# Altium PCB Motor Driver V.THT.PcbDoc
Units mm, origin at the board's own origin, x right, y up, seen from the top; angles counter-clockwise.
Board outline 120 x 73.3 mm, 2 copper layers (Top Layer, Bottom Layer); 93 components, 35 nets, 209 pads, 656 vias.
Unrouted connection lines stored in the file: 3.
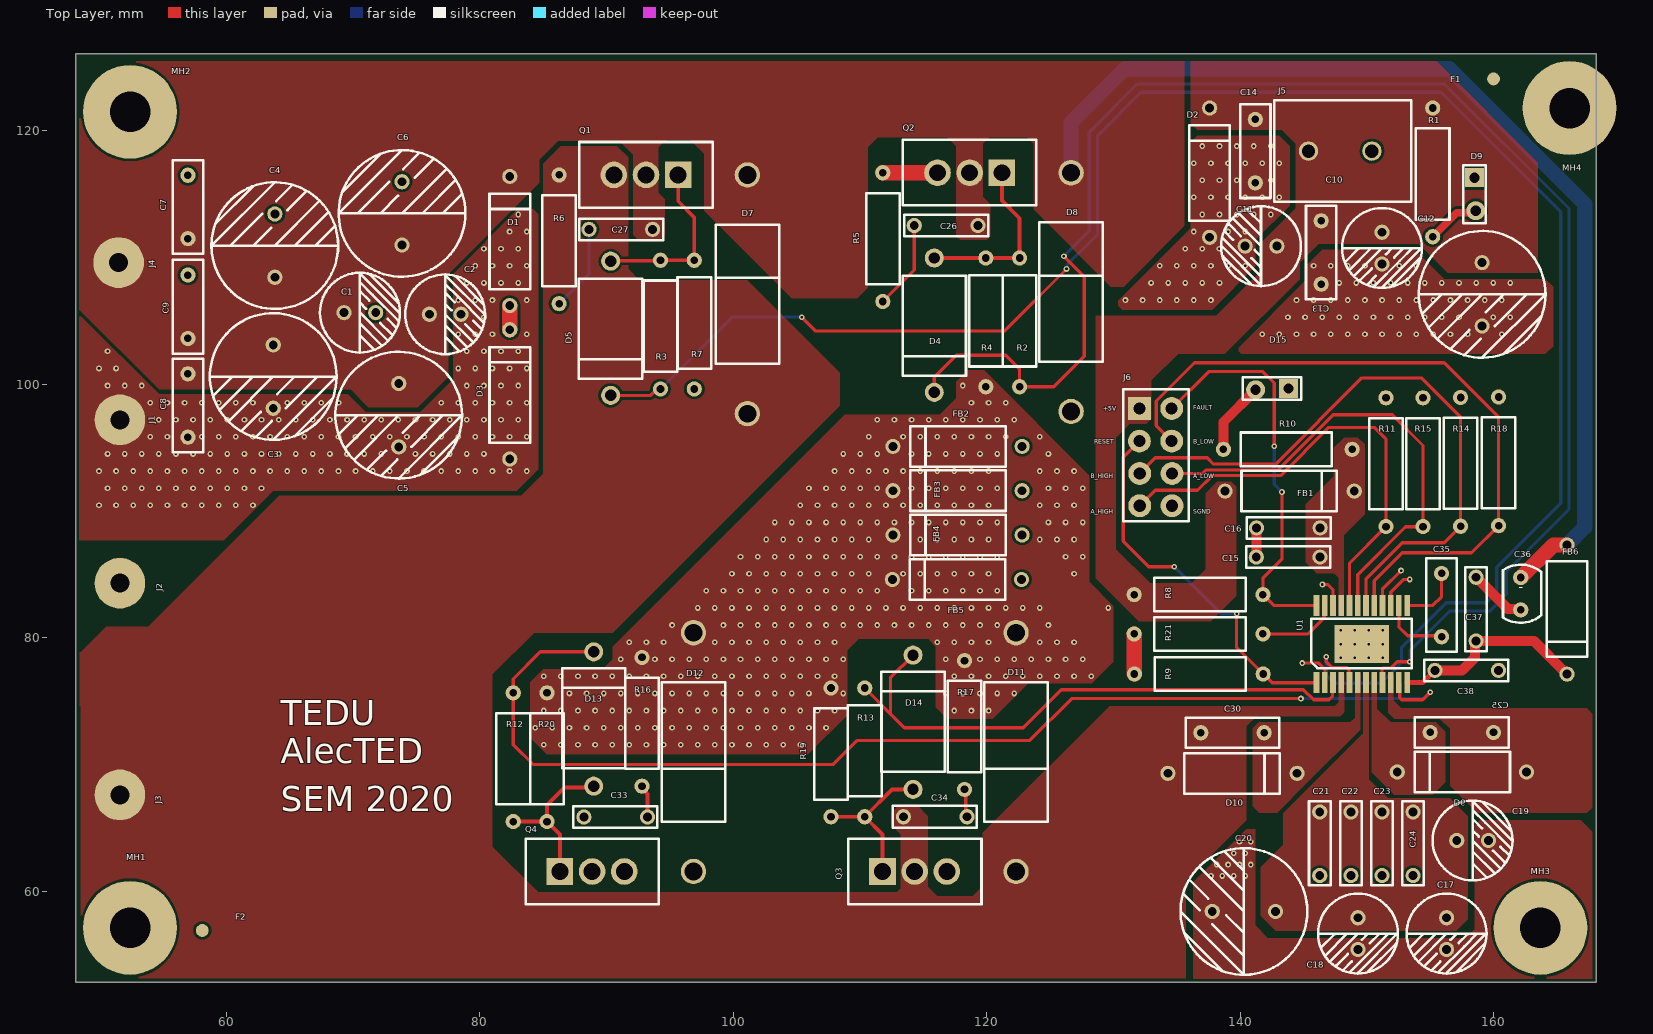
[diagram p0: Top Layer view]
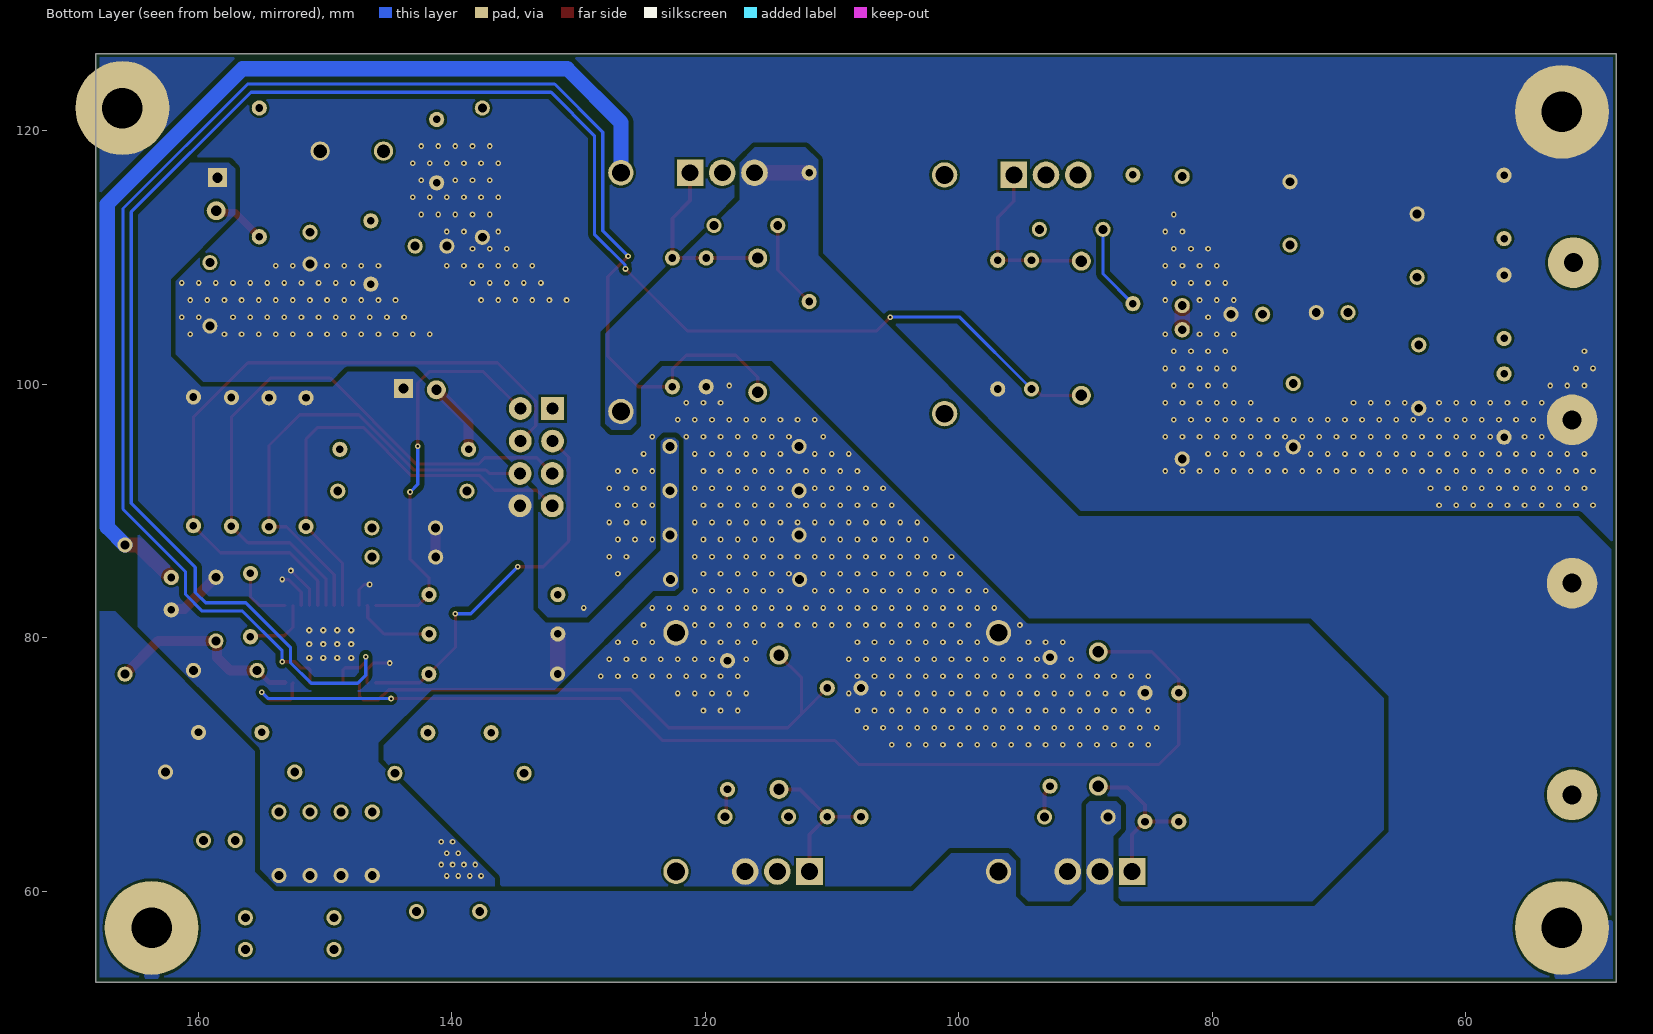
[diagram p1: Bottom Layer view, seen from below]
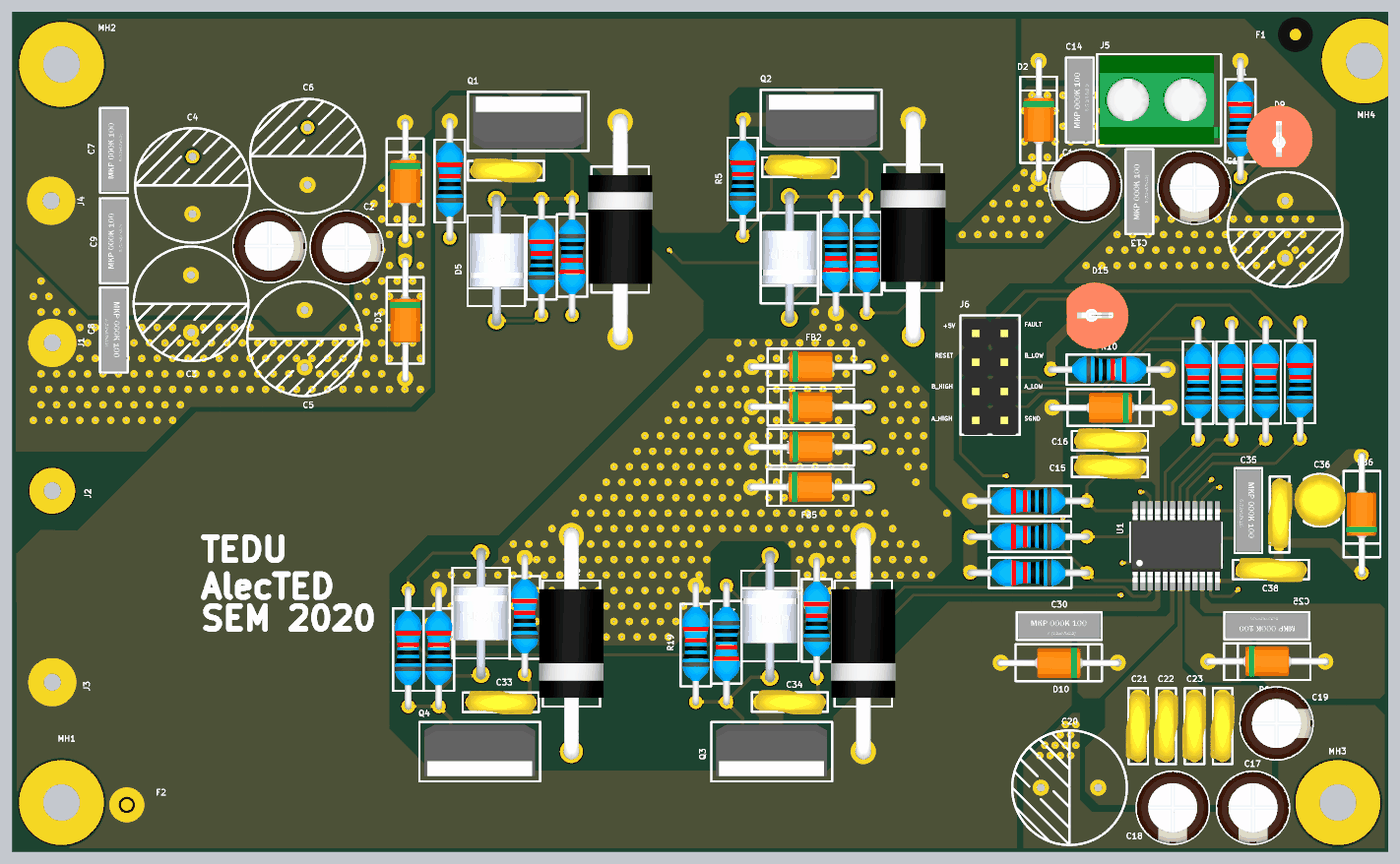
[diagram p2: 3D render of the assembled board from above, using the file's embedded part models]

## Layer stack, top to bottom
Top Solder: solder mask 0.0102, Solder Resist, Dk 3.5
Top Layer: signal copper 0.0356
Dielectric 1: dielectric 0.32, FR-4, Dk 4.8
Bottom Layer: signal copper 0.0356
Bottom Solder: solder mask 0.0102, Solder Resist, Dk 3.5

## Board outline
48.1,52.8 168.1,52.8 168.1,126.1 48.1,126.1

## Design rules (kind name [scope] priority, off if disabled: settings)
Clearance Overlay_bottom [OnLayer('Bottom Layer') vs OnLayer('Bottom Layer')] p1: gap=0.4 ignorepadtopadclearanceinfootprint=FALSE
Clearance Clearance_1 [All] p2: gap=0.2 ignorepadtopadclearanceinfootprint=FALSE
Clearance Clearance_2 [InComponent('U1')] p3: gap=0.1 ignorepadtopadclearanceinfootprint=FALSE
PolygonConnect [All] p1: connectstyle=Direct reliefconductorwidth=0.254 reliefentries=4 polygonreliefangle="90 Angle" airgapwidth=0.254
RoutingVias [All] p1: holewidth=0.2 width=0.45 viastyle="Through Hole" minholewidth=0.2 minwidth=0.45 maxholewidth=0.25 maxwidth=0.55
SolderMaskExpansion [All] p1: expansion=0.102 istentingtop=FALSE
Width [All] p1: maxlimit=1.2 minlimit=0.254 preferedwidth=0.254
30 further rules are at their usual default settings.

## Components (designator, comment, footprint, x,y, rotation, side; value= is the part's Value field where it differs from the comment)
C1 "47uF/50V" 6.3X11X2.5CAPACITOR 69.287,105.652 r0 top
C2 "47uF/50V" 6.3X11X2.5CAPACITOR 76.018,105.525 r0 top
C3 "330uF/50V" THT-CAP/10X16 63.699,103.112 r270 top
C4 "330uF/50V" THT-CAP/10X16 63.826,108.446 r90 top
C5 "330uF/50V" THT-CAP/10X16 73.605,100.064 r270 top
C6 "330uF/50V" THT-CAP/10X16 73.859,110.986 r90 top
C7 "100nF/63V" "FILM CAP" 56.968,111.494 r90 top
C8 "100nF/63V" "FILM CAP" 56.968,100.826 r270 top
C9 "100nF/63V" "FILM CAP" 56.968,103.62 r90 top
C10 "47uF/50V" 6.3X11X2.5CAPACITOR 151.2,112 r270 top
C11 "47uF/50V" 6.3X11X2.5CAPACITOR 142.9,110.9 r180 top
C12 "330uF/50V" THT-CAP/10X16 159.1,109.6 r270 top
C13 "100nF/63V" "FILM CAP" 146.4,107.9 r90 top
C14 "100nF/63V" "FILM CAP" 141.2,115.9 r90 top
C15 "100nF/63V" "CERAMIC CAP" 142.479,86.335 r0 top
C16 "100nF/63V" "CERAMIC CAP" 142.494,88.646 r0 top
C17 "47uF/50V" 6.3X11X2.5CAPACITOR 156.3,57.9 r270 top
C18 "47uF/50V" 6.3X11X2.5CAPACITOR 149.3,57.9 r270 top
C19 "47uF/50V" 6.3X11X2.5CAPACITOR 157.1,64 r0 top
C20 "330uF/50V" THT-CAP/10X16 142.8,58.4 r180 top
C21 "100nF/63V" "CERAMIC CAP" 146.312,62.43 r90 top
C22 "100nF/63V" "CERAMIC CAP" 148.767,62.43 r90 top
C23 "100nF/63V" "CERAMIC CAP" 151.223,62.43 r90 top
C24 "100nF/63V" "CERAMIC CAP" 153.678,62.43 r90 top
C25 "470nF/50V" "FILM CAP" 160,72.525 r180 top
C26 "10nF/50V" "CERAMIC CAP" 115.488,112.503 r0 top
C27 "10nF/50V" "CERAMIC CAP" 89.816,112.203 r0 top
C30 "470nF/50V" "FILM CAP" 136.9,72.5 r0 top
C33 "10nF/50V" "CERAMIC CAP" 92.038,65.872 r180 top
C34 "10nF/50V" "CERAMIC CAP" 117.254,65.897 r180 top
C35 "470nF/50V" "FILM CAP" 155.9,85.075 r270 top
C36 "4.7uF/35V" "TANTALUM CAP THT 1" 162.15,84.75 r270 top
C37 "100nF/63V" "CERAMIC CAP" 158.6,83.575 r270 top
C38 "100nF/63V" "CERAMIC CAP" 159.2,77.45 r180 top
D1 "18V/5W" 1N4745 82.368,106.207 r90 top
D2 "5.6V/1W" 1N4745 137.6,111.6 r90 top
D3 "18V/5W" 1N4745 82.368,94.102 r90 top
D4 "1N5819" 1N5819 115.869,109.963 r270 top
D5 "1N5819" 1N5819 90.324,109.722 r270 top
D6 "18V/5W" 1N4745 162.6,69.4 r180 top
D7 "UF5406" UF5406 101.119,97.681 r90 top
D8 "UF5406" UF5406 126.664,97.854 r90 top
D9 "LED" "5MM LED" 158.5,116.3 r270 top
D10 "18V/5W" 1N4745 134.3,69.3 r0 top
D11 "UF5406" UF5406 122.319,80.394 r270 top
D12 "UF5406" UF5406 96.864,80.394 r270 top
D13 "1N5819" 1N5819 88.99,68.285 r90 top
D14 "1N5819" 1N5819 114.191,68.031 r90 top
D15 "LED" "5MM LED" 143.824,99.668 r180 top
F1 "FID_1mm" FID_40X120D 160,124.1 r0 top
F2 "FID_1mm" FID_40X120D 58.1,56.9 r0 top
FB1 "R6H6X10-3TS" 1N4745 138.811,91.567 r0 top
FB2 "R6H6X10-3TS" 1N4745 122.8,95.1 r180 top
FB3 "R6H6X10-3TS" 1N4745 122.8,91.6 r180 top
FB4 "R6H6X10-3TS" 1N4745 122.8,88.1 r180 top
FB5 "R6H6X10-3TS" 1N4745 122.756,84.596 r180 top
FB6 "R6H6X10-3TS" 1N4745 165.8,87.325 r270 top
J1 "4mmx1.5mm" PAD_WITH_HOLE_4MMX1.5MM 51.6,97.2 r0 top
J2 "4mmx1.5mm" PAD_WITH_HOLE_4MMX1.5MM 51.6,84.3 r0 top
J3 "4mmx1.5mm" PAD_WITH_HOLE_4MMX1.5MM 51.6,67.6 r0 top
J4 "4mmx1.5mm" PAD_WITH_HOLE_4MMX1.5MM 51.5,109.6 r0 top
J5 "1x2 Connector" "KLEMENS 1X2" 150.4,118.4 r90 top
J6 "1x8 F_HDR" "1X8 2.54 MM F_HDR" 132.055,90.464 r0 top
MH1 "MOUNTING HOLE_7.4MMC_3.2MMD" MH_7.2MMC_3.2MMD 52.4,57.1 r0 top
MH2 "MOUNTING HOLE_7.4MMC_3.2MMD" MH_7.2MMC_3.2MMD 52.4,121.5 r0 top
MH3 "MOUNTING HOLE_7.4MMC_3.2MMD" MH_7.2MMC_3.2MMD 163.7,57.1 r0 top
MH4 "MOUNTING HOLE_7.4MMC_3.2MMD" MH_7.2MMC_3.2MMD 166,121.8 r0 top
Q1 "IRFS4127TRLPBF" TO-220 95.658,116.521 r180 top
Q2 "IRFS4127TRLPBF" TO-220 121.203,116.694 r180 top
Q3 "IRFS4127TRLPBF" TO-220 111.778,61.554 r0 top
Q4 "IRFS4127TRLPBF" TO-220 86.323,61.554 r0 top
R1 "560R/1W" "THT RESISTOR" 155.2,121.8 r270 top
R2 "47R/7W" "THT RESISTOR" 122.6,99.803 r90 top
R3 "47R/7W" "THT RESISTOR" 94.261,109.79 r270 top
R4 "4.7K/5W" "THT RESISTOR" 119.933,99.803 r90 top
R5 "100R" "THT RESISTOR" 111.805,116.694 r270 top
R6 "100R" "THT RESISTOR" 86.26,116.521 r270 top
R7 "4.7K/5W" "THT RESISTOR" 96.928,99.63 r90 top
R8 "47K/7W" "THT RESISTOR" 131.64,83.4 r0 top
R9 "1K/2W" "THT RESISTOR" 131.661,77.135 r0 top
R10 "560R/1W" "THT RESISTOR" 148.844,94.869 r180 top
R11 "1K/2W" "THT RESISTOR" 151.511,98.933 r270 top
R12 "47R/7W" "THT RESISTOR" 82.64,75.651 r270 top
R13 "47R/7W" "THT RESISTOR" 110.381,65.872 r90 top
R14 "1K/2W" "THT RESISTOR" 157.4,98.96 r270 top
R15 "1K/2W" "THT RESISTOR" 154.432,98.933 r270 top
R16 "100R" "THT RESISTOR" 92.8,78.445 r270 top
R17 "100R" "THT RESISTOR" 118.255,78.191 r270 top
R18 "1K/2W" "THT RESISTOR" 160.4,99 r270 top
R19 "4.7K/5W" "THT RESISTOR" 107.714,76.032 r270 top
R20 "4.7K/5W" "THT RESISTOR" 85.307,75.651 r270 top
R21 "47K/7W" "THT RESISTOR" 131.64,80.3 r0 top
U1 "A4940KLPTR-T" A4940-TSOP65P640X120_HS-25N 149.606,79.502 r90 top

## Footprints (in the part's own frame and the unit in brackets; to place one, negate y for a bottom-side part, rotate by r counter-clockwise, add the part's x,y. Pads: shape width x height; smd on the part's side, far side on the other; paste and mask are expansions set on the pad)
1N4745 [mm]
  round 1.2 hole 0.7: 1(10.2,0) 2(0,0)
  silkscreen extent 1.3,-1.6 8.83,1.6, body extent -0.3,-1.35 10.42,1.3, height 2.83
1N5819 [mm]
  round 1.5 hole 0.9: 1(10.6,0) 2(0,0)
  silkscreen extent 1.4,-2.5 9.3,2.5, body extent -0.4,-2.35 11.02,2.4, height 5.08
"1X8 2.54 MM F_HDR" [mm]
  rect 1.8x1.8 hole 0.95: 1(0,7.62)
  round 1.8 hole 0.95: 2(2.55,7.625) 3(0,5.05) 4(2.55,5.05) 5(0.025,2.5) 6(2.575,2.5) 7(0.025,-0.05) 8(2.575,-0.05)
  silkscreen extent -1.27,-1.28 3.9,9.14, body extent -1.18,-1.3 3.8,8.86, height 9.34
"5MM LED" [mm]
  rect 1.5x1.5 hole 0.8: 1(0,0)
  round 1.5 hole 0.8: 2(2.6,0.1)
  silkscreen extent -1,-0.9 3.6,0.9, body extent -1.62,-2.8 3.82,3, height 13.7
6.3X11X2.5CAPACITOR [mm]
  round 1.2 hole 0.7: 1(0,0) 2(2.5,0)
  silkscreen extent -1.9,-3.15 4.4,3.15, body extent -1.9,-3.15 4.4,3.15, height 11
A4940-TSOP65P640X120_HS-25N [mm] "TSOP, 24-Leads, Body 7,80x4,40mm, Pitch 0,65mm, Thermal Pad 4,32x3,00mm, IPC Medium Density"
  rect 1.65x0.45 smd mask+0.06: 1(-3.05,3.575) 2(-3.05,2.925) 3(-3.05,2.275) 4(-3.05,1.625) 5(-3.05,0.975) 6(-3.05,0.325) 7(-3.05,-0.325) 8(-3.05,-0.975) 9(-3.05,-1.625) 10(-3.05,-2.275) 11(-3.05,-2.925) 12(-3.05,-3.575) 13(3.05,-3.575) 14(3.05,-2.925) 15(3.05,-2.275) 16(3.05,-1.625) 17(3.05,-0.975) 18(3.05,-0.325) 19(3.05,0.325) 20(3.05,0.975) 21(3.05,1.625) 22(3.05,2.275) 23(3.05,2.925) 24(3.05,3.575)
  rect 3x4.32 smd: 25(0,0)
  silkscreen extent -1.9,-3.95 2,4, body extent -3.2,-3.95 3.2,3.95, height 1.2
"CERAMIC CAP" [mm]
  round 1.2 hole 0.7: 1(-1.2,0.025) 2(3.825,0.025)
  silkscreen extent -1.97,-0.82 4.65,0.87, body extent -1.7,-1 4.3,1.1, height 8.6
FID_40X120D [mil]
  round 40 smd paste-1574.8 mask+40: 1(0,0)
"FILM CAP" [mm]
  round 1.2 hole 0.6: 1(0,0) 2(5,0)
  silkscreen extent -1.2,-1.2 6.2,1.2, body extent -1.1,-1.1 6.1,1.1, height 8.53
"KLEMENS 1X2" [mil]
  round 60 hole 41.34: 1(0,0) 2(0,196.85)
  silkscreen extent -157,-122 157,303, body extent -152,-118 152,295, height 394
MH_7.2MMC_3.2MMD [mm]
  round 7.4 hole 3.2: 1(0,0)
PAD_WITH_HOLE_4MMX1.5MM [mm]
  round 4 hole 1.5: 1(0,0)
"TANTALUM CAP THT 1" [mm]
  round 1.2 hole 0.6: 1(0,0) 2(2.55,0)
  silkscreen extent -1.02,-1.4 3.57,1.61, body extent -0.97,-2.25 3.52,2.25, height 10.1
"THT RESISTOR" [mm]
  round 1.2 hole 0.6: 1(0,0) 2(10.16,0)
  silkscreen extent 1.6,-1.33 8.8,1.33, body extent -0.3,-1.2 10.46,1.2, height 2.7
THT-CAP/10X16 [mm]
  round 1.2 hole 0.7: 1(0,0) 2(5,0)
  silkscreen extent -2.5,-5 7.5,5, body extent -2.46,-5 7.54,5, height 16
TO-220 [mm]
  rect 2.1x2.1 hole 1.34: 1(0,0)
  round 2.1 hole 1.34: 2(2.54,0) 3(5.08,0)
  silkscreen extent -2.71,-2.6 7.82,2.58, body extent -2.29,-2.15 7.37,2.35, height 18.66
UF5406 [mm]
  round 2 hole 1.4: 1(18.84,0) 2(0,0)
  silkscreen extent 3.92,-2.5 14.92,2.5, body extent -0.66,-2.82 19.48,2.82, height 6.82

## Part data
C1 C2 C10 C11 C17 C18 C19: library part EXR470M50B, "CAP.EL.47uF 50V 6x11 2.5mm"
C3 C4 C5 C6 C12 C20: library part "TZP331M1HG25R-330uF Aluminium"
C7 C8 C9 C13 C14: library part C241J104J20A201, "Cap Film 0.1uF 63V PET 5% Stacked Radial 5mm 105°C Ammo Pack", Capacitance=100nF, Case/Package=Radial, Dielectric Material=PET, Manufacturer="Surge Components", Max Operating Temperature=105°C, Min Operating Temperature=-55°C, Tolerance=5%, Voltage Rating=63V, Category="Film Capacitors", ComponentLink1Description=https://datasheet.ciiva.com/17457/c241j104j20a201-17457906.pdf?src-supplier=Future+Electronics, ComponentLink1URL=https://datasheet.ciiva.com/17457/c241j104j20a201-17457906.pdf?src-supplier=Future+Electronics, Lead Free="Lead Free", Lead Pitch=5mm, Manufacturer Part Number=C241J104J20A201, Mount="Through Hole", RoHS=Yes, Stock 1=10000, Supplier 1=Avnet, Supplier Part Number 1=C241J104J20A201, Termination=Radial
C15 C16 C21 C22 C23 C24 C37 C38: library part DSTK2614
C25 C30 C35: library part DSTK2594
C26 C27 C33 C34: library part SF1H103MB215Y
C36: library part TKT4R7M3502BR
D1 D3 D6 D10: library part 1N5355BRLG, "ON SEMICONDUCTOR   1N5355BRLG   DIODE, ZENER, 18V, 5W, 017AA-2", Case/Package=Axial, Forward Voltage=1.2V, Manufacturer="ON Semiconductor", Max Operating Temperature=200°C, Max Power Dissipation=5W, Max Reverse Current=500nA, Min Operating Temperature=-65°C, Package Quantity=1, Supplier Part Number 1=1868755, Test Current=65mA, Tolerance=5%, Voltage Rating (DC)=18V, Zener Current=264mA, Category="Zener Diodes", ComponentLink1Description=https://datasheet.ciiva.com/15142/getdatasheetpartid-53953-15142149.pdf?src-supplier=Verical, ComponentLink1URL=https://datasheet.ciiva.com/15142/getdatasheetpartid-53953-15142149.pdf?src-supplier=Verical, ComponentLink2Description=https://datasheet.ciiva.com/27051/1305181-27051928.pdf?src-supplier=Jameco, ComponentLink2URL=https://datasheet.ciiva.com/27051/1305181-27051928.pdf?src-supplier=Jameco, ComponentLink3Description=https://datasheet.ciiva.com/49028/70339225-49028950.pdf?src-supplier=Allied+Electronics, ComponentLink3URL=https://datasheet.ciiva.com/49028/70339225-49028950.pdf?src-supplier=Allied+Electronics, ComponentLink4Description=https://datasheet.ciiva.com/895/1n5333b-d-895371.pdf?src-supplier=Digi-Key, ComponentLink4URL=https://datasheet.ciiva.com/895/1n5333b-d-895371.pdf?src-supplier=Digi-Key, ComponentLink5Description=https://datasheet.ciiva.com/895/1n5333b-d-895372.pdf?src-supplier=Digi-Key, ComponentLink5URL=https://datasheet.ciiva.com/895/1n5333b-d-895372.pdf?src-supplier=Digi-Key, ComponentLink6Description=https://datasheet.ciiva.com/10639/1n5333b-d-10639005.pdf?src-supplier=Avnet, ComponentLink6URL=https://datasheet.ciiva.com/10639/1n5333b-d-10639005.pdf?src-supplier=Avnet, ComponentLink7Description=https://datasheet.ciiva.com/25927/1n5333b-d-25927373.pdf?src-supplier=Avnet+Europe, ComponentLink7URL=https://datasheet.ciiva.com/25927/1n5333b-d-25927373.pdf?src-supplier=Avnet+Europe, ComponentLink8Description=https://datasheet.ciiva.com/22626/1796584-22626831.pdf?src-supplier=Element14, ComponentLink8URL=https://datasheet.ciiva.com/22626/1796584-22626831.pdf?src-supplier=Element14, Contact Plating=Tin,Matte, Element Configuration=Single, ESD Protection=Yes, Halogen Free="Halogen Free", Height=3.68mm, Impedance=2.5R, Lead Free="Lead Free", Length=8.89mm, Manufacturer Part Number=1N5355BRLG, Material=Plastic, Max Reverse Leakage Current=500nA, Number of Pins=2, Packaging="Tape and Reel", Power Dissipation=5W, Power Rating=5W, Pricing 1="4000=0,17300, 8000=0,16100, 4000=1,32800, 8000=1,23900 (EUR)", Radiation Hardening=No, REACH SVHC="No SVHC", RoHS=Yes, Stock 1=34000, Supplier 1=RSComponents, Voltage Tolerance=5%, Weight=0.01lb, Width=3.68mm, Working Voltage=18V, Zener Voltage=18V
D2: library part 1N4734A-HT
D4 D5 D13 D14: library part 1N5819_AY_10001, Forward Current=1A, Manufacturer="Pan Jit", Max Operating Temperature=150°C, Max Repetitive Reverse Voltage (Vrrm)=40V, Max Reverse Current=200uA, Min Operating Temperature=-55°C, Peak Non-Repetitive Surge Current=25A, Supplier Part Number 1=241-1N5819_AY_10001, Category="Rectifier Diodes", ComponentLink1Description=https://datasheet.ciiva.com/8300/1n5817-series-8300210.pdf?src-supplier=Avnet, ComponentLink1URL=https://datasheet.ciiva.com/8300/1n5817-series-8300210.pdf?src-supplier=Avnet, Element Configuration=Single, Manufacturer Part Number=1N5819_AY_10001, Mount="Through Hole", Number of Pins=2, Pricing 1="1=0,41000, 10=0,22500, 100=0,10900, 500=0,08600, 1000=0,06000, 2500=0,05000 (USD)", Radiation Hardening=No, RoHS=Yes, Stock 1=4975, Supplier 1=Mouser
D9 D15: library part LTL2R3SYK, "LED AMBER CLEAR 5MM ROUND T/H", Case/Package=Radial, Color=Orange, Forward Voltage=2.35V, Lens Color=Colorless, Manufacturer="Vishay Lite-On", Max Operating Temperature=80°C, Min Operating Temperature=-40°C, Package Quantity=1000, Supplier Part Number 1=859-LTL2R3SYK, Test Current=20mA, Category=LEDs, ComponentLink1Description=http://www.mouser.com/ds/2/239/_100_LTL2P3SEK+SYK+2R3SEK+SYK-62951.pdf?src-supplier=Mouser, ComponentLink1URL=http://www.mouser.com/ds/2/239/_100_LTL2P3SEK+SYK+2R3SEK+SYK-62951.pdf?src-supplier=Mouser, ComponentLink2Description=https://media.digikey.com/pdf/Data%20Sheets/Lite-On%20PDFs/LTL2x3SEK,SYK.pdf?src-supplier=Digi-Key, ComponentLink2URL=https://media.digikey.com/pdf/Data%20Sheets/Lite-On%20PDFs/LTL2x3SEK,SYK.pdf?src-supplier=Digi-Key, Diameter=5mm, Dominant Wavelength=590nm, Height=8.7mm, Illumination Color=Orange, Lens Style=Dome, Lens Transparency=Clear, Luminous Intensity=2800mcd, Manufacturer Part Number=LTL2R3SYK, Mount="Through Hole", Packaging=Bulk, RoHS=Yes, Supplier 1=Mouser, Viewing Angle=30°, Wavelength=594nm
F1 F2: "Fiducial 40mil Diameter, 120mil mask"
J1 J2 J3 J4: library part PAD_WITH_HOLE_4mmx1.5mm, "PAD_WITH_HOLE_4mmx1.5mm"
J5: library part "Klemens 2 Pin"
J6: library part "1X8 F_HDR 2.54mm"
MH1 MH2 MH3 MH4: "Mounting Hole  7.4mm, 3.2mm"
Q1 Q2 Q3 Q4: "MOSFET N-CH 200V 72A D2PAK", Case/Package=D2PAK, Continuous Drain Current (ID)=72A, Drain to Source Breakdown Voltage=200V, Drain to Source Resistance=22mR, Gate to Source Voltage (Vgs)=20V, Input Capacitance=5.38nF, Manufacturer="International Rectifier", Max Operating Temperature=175°C, Max Power Dissipation=375W, Min Operating Temperature=-55°C, On-State Resistance=22MR, Package Quantity=1, Category=MOSFETs, ComponentLink1Description=https://datasheet.ciiva.com/939/irfs4127pbf-939456.pdf?src-supplier=Digi-Key, ComponentLink1URL=https://datasheet.ciiva.com/939/irfs4127pbf-939456.pdf?src-supplier=Digi-Key, ComponentLink2Description=https://datasheet.ciiva.com/939/irfs4127pbf-939457.pdf?src-supplier=Digi-Key, ComponentLink2URL=https://datasheet.ciiva.com/939/irfs4127pbf-939457.pdf?src-supplier=Digi-Key, ComponentLink3Description=https://datasheet.ciiva.com/939/irfs4127pbf-939458.pdf?src-supplier=Digi-Key, ComponentLink3URL=https://datasheet.ciiva.com/939/irfs4127pbf-939458.pdf?src-supplier=Digi-Key, ComponentLink4Description=https://datasheet.ciiva.com/16221/irfs4127pbf-16221031.pdf?src-supplier=Future+Electronics, ComponentLink4URL=https://datasheet.ciiva.com/16221/irfs4127pbf-16221031.pdf?src-supplier=Future+Electronics, Drain to Source Voltage (Vdss)=200V, Element Configuration=Single, Fall Time=22ns, Manufacturer Part Number=IRFS4127TRLPBF, Mount="Surface Mount", Number of Pins=3, Packaging="Tape and Reel", Power Dissipation=375W, Pricing 1="1=2,62080, 10=2,29670, 25=2,28010, 50=2,25740, 100=1,79330, 250=1,70640, 500=1,68930, 1000=1,44110, 3000=1,29240, 6000=1,28060, 15000=1,26780, 30000=1,25510, 75000=1,24260 (USD)", Rds On Max=22mR, Rise Time=18ns, RoHS=Yes, Stock 1=25, Supplier 1=Arrow, Supplier Part Number 1=IRFS4127TRLPBF, Turn-Off Delay Time=56ns, Turn-On Delay Time=17ns
R1 R10: library part KNP01SJ0561A10
R2 R3 R12 R13: library part RSS700470JB60
R4 R7 R19 R20: library part MOR05UJ0472AA9
R5 R6 R16 R17: library part KNP09SJ0101B00
R8 R21: library part MOR07SJ0473B00, Manufacturer="Royal Ohm", Supplier Part Number 1=YDL66R-24-61S46106, Manufacturer Part Number=MOR07SJ0473B00, Supplier 1=Avnet
R9 R11 R14 R15 R18: library part CFRF2SJ0102A19
U1: "IC MOSF DVR FULL BRIDGE 24TSSOP", Case/Package=TSSOP, Manufacturer="Allegro MicroSystems", Max Operating Temperature=150°C, Max Supply Voltage=50V, Min Operating Temperature=-40°C, Min Supply Voltage=5.5V, Package Quantity=4000, Category="Gate Drivers", ComponentLink1Description=https://datasheet.ciiva.com/1949/a4940-datasheet-1949840.pdf?src-supplier=Digi-Key, ComponentLink1URL=https://datasheet.ciiva.com/1949/a4940-datasheet-1949840.pdf?src-supplier=Digi-Key, ComponentLink2Description=https://datasheet.ciiva.com/1949/a4940-datasheet-1949840.pdf?src-supplier=Avnet, ComponentLink2URL=https://datasheet.ciiva.com/1949/a4940-datasheet-1949840.pdf?src-supplier=Avnet, ComponentLink3Description=https://datasheet.ciiva.com/26927/getdatasheetpartid-663856-26927910.pdf?src-supplier=Verical, ComponentLink3URL=https://datasheet.ciiva.com/26927/getdatasheetpartid-663856-26927910.pdf?src-supplier=Verical, ComponentLink4Description=https://datasheet.ciiva.com/17235/a4940-datasheet-17235002.pdf?src-supplier=Avnet+Europe, ComponentLink4URL=https://datasheet.ciiva.com/17235/a4940-datasheet-17235002.pdf?src-supplier=Avnet+Europe, Manufacturer Part Number=A4940KLPTR-T, Mount="Surface Mount", Number of Drivers=1, Number of Outputs=4, Number of Pins=24, Packaging="Tape and Reel", Pricing 1="1=3,11000, 10=2,80000, 25=2,63700, 100=2,29400, 250=2,16500, 500=1,93900, 1000=1,63700, 3000=1,62100, 6000=1,58400, 4000=1,57300 (USD)", Propagation Delay=150ns, Radiation Hardening=No, RoHS=Yes, Stock 1=11389, Supplier 1=Arrow, Supplier Part Number 1=A4940KLPTR-T, Turn-Off Delay Time=20ns, Turn-On Delay Time=35ns

## Via types
v1: diameter 0.45, hole 0.2, Top Layer to Bottom Layer, 644 vias
v2: diameter 0.5, hole 0.2, Top Layer to Bottom Layer, 12 vias

## Nets (pads, with @x,y where several pads share a name; then routed paths per layer and width w, separated by ;. In a path a pad name is that pad's centre, name@x,y a point inside that pad or via, vN(x,y) a via of type N, cw(c..) or ccw(c..) an arc to the next point about the centre after c; other vN are vias at no path point)
A_HIGH: J6.7 R11.2 U1.20 | length 36.7
  Top Layer w0.254: J6.7 133.307,91.641 136.641,91.641 137.792,92.792 143.192,92.792 147,96.6 150.6,96.6 151.511,95.689 R11.2 148.631,85.893 U1.20
A_LOW: J6.6 R15.2 U1.19 | length 38.3
  Top Layer w0.254: J6.6 137.056,92.964 137.338,93.246 143.004,93.246 147.358,97.6 152,97.6 154.432,95.168 R15.2 154.411,88.752 153.052,88.752 149.281,84.981 U1.19
B_HIGH: J6.5 R14.2 U1.18 | length 50
  Top Layer w0.254: J6.5 132.08,92.98 133.3,94.2 137.405,94.2 137.9,93.705 142.821,93.705 149.616,100.5 154.3,100.5 157.4,97.4 R14.2 156.1,87.5 152.8,87.5 149.931,84.631 U1.18
B_LOW: J6.4 R18.2 U1.17 | length 55.8
  Top Layer w0.254: J6.4 133.378,96.741 133.378,98.678 136.4,101.7 156.1,101.7 160.4,97.4 R18.2 158.26,86.7 152.8,86.7 150.581,84.481 U1.17
BOOT_S1: C25.2 D6.1 U1.8
BOOT_S2: C30.2 D10.1 U1.6
FAULT: J6.2 R8.2 U1.24 | length 31.8
  Top Layer w0.254: J6.2 137.516,101 141.8,101 142.7,100.1 v1(142.7,95.1) ; v1(143.3,91.5) 143.3,86.2 141.8,84.7 R8.2 142.648,82.552 U1.24
  Bottom Layer w0.254: v1(142.7,95.1) 142.7,92.1 v1(143.3,91.5)
HIGH_MOS_1: D4.1 R2.1 U1.9 | length 125.6
  Top Layer w0.254: D4.1 115.869,100.569 117.6,102.3 121.5,102.3 122.6,101.2 R2.1 125.303,99.803 127.7,102.2 127.7,108.5 v1(126.1,110.1) ; U1.9 151.209,76.474 151.209,77.509 151.304,77.604 151.904,77.604 152.4,78.1 v1(153.4,78.1)
  Bottom Layer w0.254: v1(126.1,110.1) 128.1,112.1 128.1,119.901 131.899,123.7 156.125,123.7 165.954,113.871 165.954,90.148 161.023,85.217 161.023,83.422 159.701,82.1 156.525,82.1 153.4,78.975 v1(153.4,78.1)
HIGH_MOS_2: D5.1 R3.2 U1.5 | length 148.9
  Top Layer w0.254: D5.1 93.497,99.122 94.005,99.63 R3.2 ; v1(105.4,105.3) 106.5,104.2 121.4,104.2 v1(126.3,109.1) ; v1(146.8,78.5) 146.8,78.1 147.264,77.636 148.436,77.636 148.585,77.487 148.585,76.498 U1.5
  Bottom Layer w0.254: R3.2 99.931,105.3 v1(105.4,105.3) ; v1(126.3,109.1) 126.337,109.137 126.337,109.412 128.754,111.829 128.754,119.63 132.17,123.046 155.854,123.046 165.3,113.6 165.3,90.6 160.246,85.546 160.246,83.57 159.43,82.754 156.254,82.754 152.746,79.246 152.746,78.046 151.1,76.4 147.44,76.4 146.8,77.04 v1(146.8,78.5)
IC_SUPPLY: C10.1 C11.1 C12.1 C13.2 C14.2 D2.1 FB1.2 J5.2 J6.1 R1.1 R8.1
LOW_MOS_1: D13.1 R12.1 U1.11 | length 91.7
  Top Layer w0.254: D13.1 84.785,78.885 82.64,76.74 R12.1 82.64,71.56 84.2,70 107.9,70 109.8,71.9 123.4,71.9 126.7,75.2 v1(144.8,75.2) ; U1.11 152.6,76.383 152.6,75.249 152.749,75.1 154.4,75.1 v1(155,75.7)
  Bottom Layer w0.254: v1(144.8,75.2) 154.5,75.2 v1(155,75.7)
LOW_MOS_2: D14.1 R13.2 U1.3 | length 46.3
  Top Layer w0.254: R13.2 112.406,74.006 ; D14.1 112.406,76.846 112.406,74.006 ; U1.3 147.3,76.421 147.3,75.4 147,75.1 145.8,75.1 145,75.9 125.9,75.9 122.9,72.9 113.513,72.9 112.406,74.006
MOTOR1: C25.1 C33.2 D6.2 D8.2 D12.1 J2.1 Q2.3 Q4.2 R5.1 U1.10 | length 4.3
  Top Layer w1.2: R5.1 Q2.3
MOTOR2: C30.1 C34.2 D7.2 D10.2 D11.1 J3.1 Q1.3 Q3.2 R6.1 U1.4
NetC26_1: C26.1 R5.2 | length 7
  Top Layer w0.254: R5.2 114.288,109.017 C26.1
NetC27_1: C27.1 R6.2 | length 6.8
  Bottom Layer w0.254: R6.2 88.616,108.717 C27.1
NetC33_1: C33.1 R16.2 | length 2.6
  Top Layer w0.3: R16.2 92.8,68.097 93.238,67.659 C33.1
NetC34_1: C34.1 R17.2 | length 2.2
  Top Layer w0.3: R17.2 118.354,67.931 118.354,65.971 C34.1
NetC35_1: C35.1 U1.13 | length 4.8
  Top Layer w0.254: U1.13 155.202,82.552 155.9,83.25 C35.1
NetC35_2: C35.2 U1.14 | length 5.4
  Top Layer w0.254: U1.14 152.531,80.844 153.225,80.15 155.825,80.15 C35.2
NetD1_2: D1.2 D3.1 | length 1.9
  Top Layer w1.2: D3.1 D1.2
NetD4_2: D4.2 Q2.1 R2.2 R4.2 | length 14
  Top Layer w0.3: D4.2 R4.2 R2.2 122.6,113.1 121.203,114.497 Q2.1
NetD5_2: D5.2 Q1.1 R3.1 R7.2 | length 13.9
  Top Layer w0.3: D5.2 90.358,109.756 94.227,109.756 R3.1 R7.2 96.928,113.172 95.658,114.442 Q1.1
NetD9_2: D9.2 R1.2 | length 4.3
  Top Layer w0.6: R1.2 157.088,113.528 158.428,113.528 D9.2
NetD13_2: D13.2 Q4.1 R12.2 R20.2 | length 12.6
  Top Layer w0.3: R12.2 R20.2 ; Q4.1 86.323,64.475 R20.2 ; D13.2 88.886,68.181 86.681,68.181 85.307,66.807 R20.2
NetD14_2: D14.2 Q3.1 R13.1 R19.2 | length 12.3
  Top Layer w0.3: R19.2 R13.1 ; Q3.1 111.778,64.475 R13.1 ; D14.2 112.54,68.031 R13.1
NetD15_2: D15.2 R10.2 | length 5.8
  Top Layer w0.8: R10.2 138.684,97.028 D15.2
NetR21_2: R21.2 U1.23 | length 6.4
  Top Layer w0.254: R21.2 145.368,80.3 146.637,81.569 146.637,82.508 U1.23
P_VBB: C37.2 C38.2 FB6.1 U1.12 | length 15.8
  Top Layer w0.4: U1.12 154.402,76.452 C38.2
  Top Layer w0.8: C38.2 157.525,77.425 158.548,78.448 158.548,79.673 C37.2 163.175,79.75 FB6.1
P_VDD: C15.2 C16.2 FB1.1 R10.1 U1.21
P_VREG: C17.1 C18.1 C19.1 C20.1 C21.2 C22.2 C23.2 C24.2 U1.7
PGND: C1.2 C2.2 C3.2 C4.2 C5.2 C6.2 C7.2 C8.2 C9.2 C10.2 C11.2 C12.2 C13.1 C14.1 D2.2 D3.2 D11.2 D12.2 FB2.1 FB3.1 FB4.1 FB5.1 J1.1 J5.1 MH1.1 MH2.1 MH3.1 MH4.1 Q3.3 Q4.3 R4.1 R7.1 R16.1 R17.1 R19.1 R20.1
  other v1: 85.05,71.55 86.4,71.55 87.75,71.55 89.1,71.55 90.45,71.55 91.8,71.55 93.15,71.55 94.5,71.55 95.85,71.55 97.2,71.55 98.55,71.55 99.9,71.55 101.25,71.55 102.6,71.55 103.95,71.55 105.3,71.55 84.375,72.9 85.725,72.9 87.075,72.9 88.425,72.9 89.775,72.9 91.125,72.9 92.475,72.9 93.825,72.9 95.175,72.9 96.525,72.9 97.875,72.9 99.225,72.9 100.575,72.9 101.925,72.9 103.275,72.9 104.625,72.9 105.975,72.9 107.325,72.9 85.05,74.25 86.4,74.25 87.75,74.25 89.1,74.25 90.45,74.25 91.8,74.25 93.15,74.25 94.5,74.25 95.85,74.25 97.2,74.25 98.55,74.25 99.9,74.25 101.25,74.25 102.6,74.25 103.95,74.25 105.3,74.25 106.65,74.25 108,74.25 117.45,74.25 118.8,74.25 120.15,74.25 87.075,75.6 88.425,75.6 89.775,75.6 91.125,75.6 92.475,75.6 93.825,75.6 95.175,75.6 96.525,75.6 97.875,75.6 99.225,75.6 100.575,75.6 101.925,75.6 103.275,75.6 104.625,75.6 105.975,75.6 108.675,75.6 116.775,75.6 118.125,75.6 119.475,75.6 120.825,75.6 122.175,75.6 85.05,76.95 86.4,76.95 87.75,76.95 89.1,76.95 90.45,76.95 91.8,76.95 93.15,76.95 94.5,76.95 95.85,76.95 97.2,76.95 98.55,76.95 99.9,76.95 101.25,76.95 102.6,76.95 103.95,76.95 105.3,76.95 106.65,76.95 108,76.95 117.45,76.95 118.8,76.95 120.15,76.95 121.5,76.95 122.85,76.95 124.2,76.95 125.55,76.95 126.9,76.95 128.25,76.95 91.125,78.3 93.825,78.3 95.175,78.3 96.525,78.3 97.875,78.3 99.225,78.3 100.575,78.3 101.925,78.3 103.275,78.3 104.625,78.3 105.975,78.3 107.325,78.3 108.675,78.3 116.775,78.3 119.475,78.3 120.825,78.3 122.175,78.3 123.525,78.3 124.875,78.3 126.225,78.3 127.575,78.3 91.8,79.65 93.15,79.65 94.5,79.65 98.55,79.65 99.9,79.65 101.25,79.65 102.6,79.65 103.95,79.65 105.3,79.65 106.65,79.65 108,79.65 116.1,79.65 117.45,79.65 118.8,79.65 120.15,79.65 124.2,79.65 125.55,79.65 126.9,79.65 95.175,81 99.225,81 100.575,81 101.925,81 103.275,81 104.625,81 105.975,81 107.325,81 108.675,81 110.025,81 111.375,81 112.725,81 114.075,81 115.425,81 116.775,81 118.125,81 119.475,81 120.825,81 124.875,81 97.2,82.35 98.55,82.35 99.9,82.35 101.25,82.35 102.6,82.35 103.95,82.35 105.3,82.35 106.65,82.35 108,82.35 109.35,82.35 110.7,82.35 112.05,82.35 113.4,82.35 114.75,82.35 116.1,82.35 117.45,82.35 118.8,82.35 120.15,82.35 121.5,82.35 122.85,82.35 124.2,82.35 129.6,82.35 97.875,83.7 99.225,83.7 100.575,83.7 101.925,83.7 103.275,83.7 104.625,83.7 105.975,83.7 107.325,83.7 108.675,83.7 110.025,83.7 111.375,83.7 114.075,83.7 115.425,83.7 116.775,83.7 118.125,83.7 119.475,83.7 120.825,83.7 99.9,85.05 101.25,85.05 102.6,85.05 103.95,85.05 105.3,85.05 106.65,85.05 108,85.05 109.35,85.05 110.7,85.05 113.4,85.05 114.75,85.05 116.1,85.05 117.45,85.05 118.8,85.05 120.15,85.05 126.9,85.05 100.575,86.4 101.925,86.4 103.275,86.4 104.625,86.4 105.975,86.4 107.325,86.4 108.675,86.4 110.025,86.4 111.375,86.4 112.725,86.4 114.075,86.4 115.425,86.4 116.775,86.4 118.125,86.4 119.475,86.4 120.825,86.4 126.225,86.4 127.575,86.4 102.6,87.75 103.95,87.75 105.3,87.75 106.65,87.75 108,87.75 109.35,87.75 110.7,87.75 114.75,87.75 116.1,87.75 117.45,87.75 118.8,87.75 120.15,87.75 124.2,87.75 125.55,87.75 126.9,87.75 103.275,89.1 104.625,89.1 105.975,89.1 107.325,89.1 108.675,89.1 110.025,89.1 111.375,89.1 112.725,89.1 114.075,89.1 115.425,89.1 116.775,89.1 118.125,89.1 119.475,89.1 120.825,89.1 124.875,89.1 126.225,89.1 127.575,89.1 49.95,90.45 51.3,90.45 52.65,90.45 54,90.45 55.35,90.45 56.7,90.45 58.05,90.45 59.4,90.45 60.75,90.45 62.1,90.45 105.3,90.45 106.65,90.45 108,90.45 109.35,90.45 110.7,90.45 112.05,90.45 113.4,90.45 114.75,90.45 116.1,90.45 117.45,90.45 118.8,90.45 120.15,90.45 124.2,90.45 125.55,90.45 126.9,90.45 50.625,91.8 51.975,91.8 53.325,91.8 54.675,91.8 56.025,91.8 57.375,91.8 58.725,91.8 60.075,91.8 61.425,91.8 62.775,91.8 105.975,91.8 107.325,91.8 108.675,91.8 110.025,91.8 111.375,91.8 114.075,91.8 115.425,91.8 116.775,91.8 118.125,91.8 119.475,91.8 120.825,91.8 124.875,91.8 126.225,91.8 127.575,91.8 49.95,93.15 51.3,93.15 52.65,93.15 54,93.15 55.35,93.15 56.7,93.15 58.05,93.15 59.4,93.15 60.75,93.15 62.1,93.15 63.45,93.15 64.8,93.15 66.15,93.15 67.5,93.15 68.85,93.15 70.2,93.15 71.55,93.15 72.9,93.15 74.25,93.15 75.6,93.15 76.95,93.15 78.3,93.15 79.65,93.15 81,93.15 82.35,93.15 83.7,93.15 108,93.15 109.35,93.15 110.7,93.15 112.05,93.15 113.4,93.15 114.75,93.15 116.1,93.15 117.45,93.15 118.8,93.15 120.15,93.15 124.2,93.15 125.55,93.15 126.9,93.15 50.625,94.5 51.975,94.5 53.325,94.5 54.675,94.5 56.025,94.5 57.375,94.5 58.725,94.5 60.075,94.5 61.425,94.5 62.775,94.5 64.125,94.5 65.475,94.5 66.825,94.5 68.175,94.5 69.525,94.5 70.875,94.5 72.225,94.5 74.925,94.5 76.275,94.5 77.625,94.5 78.975,94.5 80.325,94.5 108.675,94.5 110.025,94.5 111.375,94.5 114.075,94.5 115.425,94.5 116.775,94.5 118.125,94.5 119.475,94.5 120.825,94.5 124.875,94.5 54,95.85 55.35,95.85 58.05,95.85 59.4,95.85 60.75,95.85 62.1,95.85 63.45,95.85 64.8,95.85 66.15,95.85 67.5,95.85 68.85,95.85 70.2,95.85 71.55,95.85 72.9,95.85 74.25,95.85 75.6,95.85 76.95,95.85 78.3,95.85 79.65,95.85 81,95.85 82.35,95.85 83.7,95.85 110.7,95.85 113.4,95.85 114.75,95.85 116.1,95.85 117.45,95.85 118.8,95.85 120.15,95.85 121.5,95.85 124.2,95.85 54.675,97.2 56.025,97.2 57.375,97.2 58.725,97.2 60.075,97.2 61.425,97.2 62.775,97.2 64.125,97.2 65.475,97.2 66.825,97.2 68.175,97.2 69.525,97.2 70.875,97.2 72.225,97.2 73.575,97.2 74.925,97.2 76.275,97.2 77.625,97.2 78.975,97.2 80.325,97.2 81.675,97.2 83.025,97.2 111.375,97.2 112.725,97.2 114.075,97.2 115.425,97.2 116.775,97.2 118.125,97.2 119.475,97.2 120.825,97.2 122.175,97.2 54,98.55 55.35,98.55 56.7,98.55 58.05,98.55 59.4,98.55 60.75,98.55 62.1,98.55 64.8,98.55 66.15,98.55 67.5,98.55 68.85,98.55 76.95,98.55 78.3,98.55 79.65,98.55 81,98.55 82.35,98.55 83.7,98.55 118.8,98.55 120.15,98.55 121.5,98.55 50.625,99.9 51.975,99.9 53.325,99.9 78.975,99.9 80.325,99.9 81.675,99.9 83.025,99.9 118.125,99.9 49.95,101.25 51.3,101.25 78.3,101.25 79.65,101.25 81,101.25 82.35,101.25 83.7,101.25 50.625,102.6 78.975,102.6 80.325,102.6 81.675,102.6 83.025,102.6 78.3,103.95 79.65,103.95 81,103.95 83.7,103.95 141.75,103.95 143.1,103.95 144.45,103.95 145.8,103.95 147.15,103.95 148.5,103.95 149.85,103.95 151.2,103.95 152.55,103.95 153.9,103.95 155.25,103.95 156.6,103.95 157.95,103.95 160.65,103.95 80.325,105.3 143.775,105.3 145.125,105.3 146.475,105.3 147.825,105.3 149.175,105.3 150.525,105.3 151.875,105.3 153.225,105.3 154.575,105.3 155.925,105.3 157.275,105.3 159.975,105.3 161.325,105.3 78.3,106.65 79.65,106.65 81,106.65 83.7,106.65 130.95,106.65 132.3,106.65 133.65,106.65 135,106.65 136.35,106.65 137.7,106.65 144.45,106.65 145.8,106.65 147.15,106.65 148.5,106.65 149.85,106.65 151.2,106.65 152.55,106.65 153.9,106.65 155.25,106.65 156.6,106.65 157.95,106.65 159.3,106.65 160.65,106.65 78.975,108 80.325,108 81.675,108 83.025,108 132.975,108 134.325,108 135.675,108 137.025,108 138.375,108 147.825,108 149.175,108 150.525,108 151.875,108 153.225,108 154.575,108 155.925,108 157.275,108 158.625,108 159.975,108 161.325,108 79.65,109.35 81,109.35 82.35,109.35 83.7,109.35 133.65,109.35 135,109.35 136.35,109.35 137.7,109.35 139.05,109.35 140.4,109.35 145.8,109.35 147.15,109.35 148.5,109.35 149.85,109.35 152.55,109.35 153.9,109.35 80.325,110.7 81.675,110.7 83.025,110.7 135.675,110.7 137.025,110.7 138.375,110.7 82.35,112.05 83.7,112.05 136.35,112.05 139.05,112.05 140.4,112.05 83.025,113.4 137.025,113.4 138.375,113.4 139.725,113.4 141.075,113.4 142.425,113.4 136.35,114.75 137.7,114.75 139.05,114.75 140.4,114.75 141.75,114.75 143.1,114.75 137.025,116.1 138.375,116.1 139.725,116.1 142.425,116.1 136.35,117.45 137.7,117.45 139.05,117.45 140.4,117.45 141.75,117.45 143.1,117.45 137.025,118.8 138.375,118.8 139.725,118.8 141.075,118.8 142.425,118.8
RESET: J6.3 R9.2 U1.1 | length 29.9
  Top Layer w0.254: J6.3 130.775,94.234 130.775,87.625 132.8,85.6 v1(134.8,85.6) ; v1(139.725,81.9) 139.725,79.231 R9.2 141.856,77.1 141.877,77.1 142.525,76.452 U1.1
  Bottom Layer w0.254: v1(134.8,85.6) 138.5,81.9 v1(139.725,81.9)
SGND: C15.1 C16.1 C17.2 C18.2 C19.2 C20.2 C21.1 C22.1 C23.1 C24.1 C36.2 C37.1 C38.1 D9.1 D15.1 FB2.2 FB3.2 FB4.2 FB5.2 J6.8 R9.1 R11.1 R14.1 R15.1 R18.1 R21.1 U1.2 U1.15 U1.16 U1.22 U1.25 | length 21.7
  Top Layer w0.254: v1(144.9,78) 146.2,78 146.691,77.509 146.691,76.462 U1.2 ; v1(146.5,84.2) 146.913,84.2 147.331,83.782 U1.22 ; U1.16 151.231,83.831 v1(152.7,85.3) ; U1.15 151.881,83.581 152.9,84.6 v1(153.4,84.6)
  Top Layer w0.8: C15.1 141.286,86.368 141.286,88.664 C16.1 ; C37.1 161.123,82.277 162.073,82.277 C36.2
  Top Layer w1.2: R21.1 131.64,77.156 R9.1
  other v1: 137.7,61.2 138.6,61.2 139.5,61.2 140.4,61.2 138.15,62.1 139.05,62.1 139.95,62.1 140.85,62.1 139.5,63 140.4,63 139.95,63.9 140.85,63.9
  other v2: 147.956,78.402 149.056,78.402 150.156,78.402 151.256,78.402 147.956,79.502 149.056,79.502 150.156,79.502 151.256,79.502 147.956,80.602 149.056,80.602 150.156,80.602 151.256,80.602
Vbat: C1.1 C2.1 C3.1 C4.1 C5.1 C6.1 C7.1 C8.1 C9.1 C26.2 C27.2 C36.1 D1.1 D7.1 D8.1 FB6.2 J4.1 Q1.2 Q2.2 | length 82.9
  Top Layer w1.2: C36.1 164.725,87.325 FB6.2
  Bottom Layer w1.2: D8.1 126.664,120.664 130.9,124.9 156.519,124.9 167.2,114.219 167.2,88.725 FB6.2
pads on no net: F1.1 F2.1

## Polygon pours and split planes (outlines as drawn)
PGND on Top Layer "Top Layer-PGND 2" (solid, remove dead copper, pour order 38): 145.2,108.2 145.2,109.3 146.5,110.6 153.8,110.6 156.1,108.3 164.1,108.3 164.7,107.7 164.7,103 164.1,102.4 140.1,102.4 139.9,102.6 139.9,102.9
PGND on Top Layer "Top Layer-PGND 3" (solid, remove dead copper, pour order 37): 136.6,119.6 136.1,119.1 136.1,112.3 130.4,106.6 130.4,106.2 130.7,105.9 137.8,105.9 141.2,109.3 141.2,111.4 143.9,114.1 143.9,118.8 143.1,119.6
no net on Top Layer "Top Layer-No Net 1" (solid, remove dead copper, pour order 35): 132.2,107.9
IC_SUPPLY on Top Layer "Top Layer-IC_SUPPLY" (solid, remove dead copper, pour order 33): 139.3,92.3 139.7,91.9 139.7,83.3 137.7,81.3 132,81.3 128.6,84.7 128.6,105.4 138.1,105.4 141.7,109 141.7,111.2 144.4,113.9 144.4,119 143.3,120.1 136.6,120.1 136.1,120.6 136.1,125.5 155.5,125.5 163.5,117.5 163.5,108.8 156.4,108.8 154.1,111.1 146.2,111.1 144.7,109.6 144.7,108.3 138.8,102.4 135.1,102.4 133,100.3 133,97.3 132.6,96.9 131.3,96.9 130.2,95.8 130.2,87 132.9,84.3 136.2,84.3 137.3,85.4 137.3,91.4 138.2,92.3
no net on Top Layer "Top Layer-No Net 2" (solid, remove dead copper, pour order 31): 141.1,109.8
PGND on Top Layer "Top Layer-PGND" (solid, remove dead copper, pour order 25): 85,77.5 84,76.5 84,72.1 85.3,70.8 105.9,70.8 109,73.9 109,79 109.9,79.9 115.4,79.9 116,79.3 116,74.5 116.9,73.6 120.5,73.6 123.3,76.4 128.3,76.4 130,78.1 130,82.5 128.1,84.4 128.1,92.8 119.8,101.1 118.5,101.1 117.6,100.2 117.6,98.9 116.3,97.6 108.8,97.6 90.5,79.3 90.5,78.3 89.7,77.5
P_VDD on Top Layer "Top Layer-P_VDD" (solid, remove dead copper, pour order 20): 147.4,92.75 147.4,95 148.2,95.8 149.3,95.8 149.85,95.25 149.85,89.75 148.175,88.075 148.175,81.85 147.8,81.85 147.8,84.725 147.425,85.1 146.05,85.1 145.2,85.95 145.2,90.55
SGND on Top Layer "Top Layer-SGND" (solid, remove dead copper, pour order 19): 140.5,64.9 136.3,60.7 136.3,53.1 167.8,53.1 167.8,64.7 166.9,65.6 158.9,65.6 158.5,65.2 158.5,57 157.8,56.3 142.2,56.3 141.2,57.3 141.2,64.9
no net on Top Layer "Top Layer-No Net" (solid, remove dead copper, pour order 18): 141,67.3
MOTOR1 on Top Layer "Top Layer-MOTOR1" (solid, remove dead copper, pour order 17): 151.7,77.15 152.075,77.15 152.075,75.3 152.075,75.075 152.7,74.45 167.35,74.45 167.8,74 167.8,66.6 167.375,66.175 158.725,66.175 156.6,68.3 156.6,72.8 155.775,73.625 152.15,73.625 151.7,74.075
PGND on Top Layer "Top Layer-PGND 1" (solid, remove dead copper, pour order 16): 48.4,105.5 54.7,99.2 69.6,99.2 71,97.8 75.3,97.8 77.9,100.4 77.9,108.7 83,113.8 84.2,113.8 84.6,113.4 84.6,93.3 82.9,91.6 63.7,91.6 59.8,87.7 48.4,87.7
MOTOR2 on Top Layer "Top Layer-MOTOR2" (solid, remove dead copper, pour order 15): 48.5,74.6 48.45,74.65 48.45,78.85 48.5,78.85 50.527,80.877 53.822,80.847 64.175,91.2 83.275,91.2 85,92.925 85,117.4 86.4,118.8 90.8,118.8 91.7,117.9 91.7,109.1 92.6,108.2 101.1,108.2 108.4,100.9 108.4,98.3 103.6,93.5 90.5,80.4 84.3,80.4 81,77.1 81,63.5 84.6,59.9 112.9,59.9 113.225,60.225 113.225,64.5 112.5,65.225 112.5,66.2 113.1,66.8 114.475,66.8 115.35,65.925 115.35,60.35 116.1,59.6 118.9,59.6 119.7,60.4 119.7,64.6 129.7,74.6 146.725,74.6 147.475,74.6 147.775,74.9 147.775,77.2 148.2,77.2 148.2,74.1 147.9,73.8 141.3,73.8 140.5,73 140.5,65.6 135.725,60.825 135.725,53.125 48.5,53.125
BOOT_S1 on Top Layer "Top Layer-BOOT_S1" (solid, remove dead copper, pour order 14): 150.375,77.15 150.375,73.325 150.375,69.375 152.15,67.6 155.2,67.6 156.2,68.6 156.2,72.575 155.45,73.325 151.875,73.325 150.8,74.4 150.8,77.15
P_VREG on Top Layer "Top Layer-P_VREG" (solid, remove dead copper, pour order 13): 149.725,77.15 149.725,72.475 143.4,66.15 143.4,63.65 141.625,61.875 141.625,58.075 142.825,56.875 157.05,56.875 157.975,57.8 157.975,65.925 156.575,67.325 151.675,67.325 150.15,68.85 150.15,77.15
BOOT_S2 on Top Layer "Top Layer-BOOT_S2" (solid, remove dead copper, pour order 12): 141,69.65 141,66.7 141.5,66.2 142.925,66.2 145.225,68.5 149.475,72.75 149.475,77.15 149.075,77.15 149.075,73.7 148.7,73.325 141.475,73.325 141,72.85
Vbat on Top Layer "Top Layer-Vbat" (solid, remove dead copper, pour order 11): 110.6,118.7 111.4,119.5 112.9,119.5 116.9,119.5 117.6,118.8 117.6,111.7 117.9,111.4 120,111.4 120.3,111.7 120.3,114.2 119.7,114.8 119.7,119 120.2,119.5 123.2,119.5 123.7,119 123.7,113.8 129.8,107.7 130.8,107.7 135.6,112.5 135.6,125.5 48.4,125.5 48.4,105.9 54.7,99.6 69.8,99.6 71.2,98.2 75.1,98.2 77.5,100.6 77.5,108.7 84.7,115.9 84.7,117.7 86.2,119.2 91,119.2 92.1,118.1 92.1,111.8 92.6,111.3 94.1,111.3 94.6,111.8 94.6,114.6 94.1,115.1 94.1,118.7 94.7,119.3 96.6,119.3 97.7,118.2 97.7,113.7 104.6,106.8 109.8,106.8 110.6,107.6
PGND on Bottom Layer "Bottom Layer-PGND" (solid, remove dead copper, pour order 27): 48.4,53.1 48.4,125.8 167.8,125.8 167.8,53.1
SGND on Bottom Layer "Bottom Layer-SGND" (solid, remove dead copper, pour order 23): 123.5,95.5 123.5,86.9 129.2,81.2 132.6,81.2 133.6,82.2 133.6,91.6 143,101 148.2,101 149.4,99.8 159.8,99.8 162.2,102.2 162.2,108.3 157.1,113.4 157.1,117 157.6,117.5 160.7,117.5 164.8,113.4 164.8,80.6 155.4,71.2 155.4,61.7 153.8,60.1 136.9,60.1 136.6,60.4 136.6,61 145.8,70.2 145.8,71.7 141.6,75.9 131.9,75.9 124.1,83.7 122.4,83.7 122.1,84 122.1,95.5 122.4,95.8 123.2,95.8
MOTOR1 on Bottom Layer "Bottom Layer-MOTOR1" (solid, remove dead copper, pour order 22): 167.8,53.2 48.5,53.2 48.5,87 51.1,89.6 90.525,89.6 111.1,110.175 111.1,117.7 112.1,118.7 116.1,118.7 117.3,117.5 117.3,114.575 127.9,103.975 127.9,96.9 127.4,96.4 125.925,96.4 125.45,96.875 125.45,99.95 123.55,101.85 114.75,101.85 94.425,81.525 72.225,81.525 66.075,75.375 66.075,64.675 71.95,58.8 87.3,58.8 87.8,59.3 87.8,64.323 87.2,64.923 87.2,66.725 87.575,67.1 89.65,67.1 89.925,66.825 89.925,59.975 91.1,58.8 94.7,58.8 95.5,59.6 95.5,62.4 96.1,63 100.6,63 103.625,59.975 153.975,59.975 155.55,61.55 155.55,71.05 166.575,82.075 167.8,82.075
no net on Bottom Layer "Bottom Layer-No Net" (solid, remove dead copper, pour order 7): 147.6,84.8
PGND on Top Solder (solid, remove dead copper): 85,77.5 84,76.5 84,72.1 85.3,70.8 105.9,70.8 109,73.9 109,79 109.9,79.9 115.4,79.9 116,79.3 116,74.5 116.9,73.6 120.5,73.6 123.3,76.4 128.3,76.4 130,78.1 130,82.5 128.1,84.4 128.1,92.8 119.8,101.1 119.1,101.1 117.6,99.6 117.6,98.9 116.3,97.6 108.8,97.6 90.5,79.3 90.5,78.3 89.7,77.5

## Silkscreen, mask and mechanical layers (free items; w line width, h text height)
Top Overlay:
  text "FAULT" at 136.3,98 h0.35
  text "+5V" at 129.2,97.9 h0.35
  text "RESET" at 128.5,95.3 h0.35
  text "B_LOW" at 136.3,95.3 h0.35
  text "B_HIGH" at 128.2,92.6 h0.35
  text "A_LOW" at 136.3,92.6 h0.35
  text "A_HIGH" at 128.2,89.8 h0.35
  text "SGND" at 136.3,89.8 h0.35
  text "TEDU / AlecTED" at 64.3,70.1 h2
  text "SEM 2020" at 64.3,66.3 h2
Bottom Overlay:
  region: 54.362,77.163
  region: 54.147,81.24